# Altium PCB Copy of RaspberryHatBoard1.PcbDoc (part 2 of 3)
Units mm, origin at the board's own origin, x right, y up, seen from the top; angles counter-clockwise.
Board outline 65 x 56 mm, 2 copper layers (Top Layer, Bottom Layer); 197 components, 133 nets, 606 pads, 241 vias.
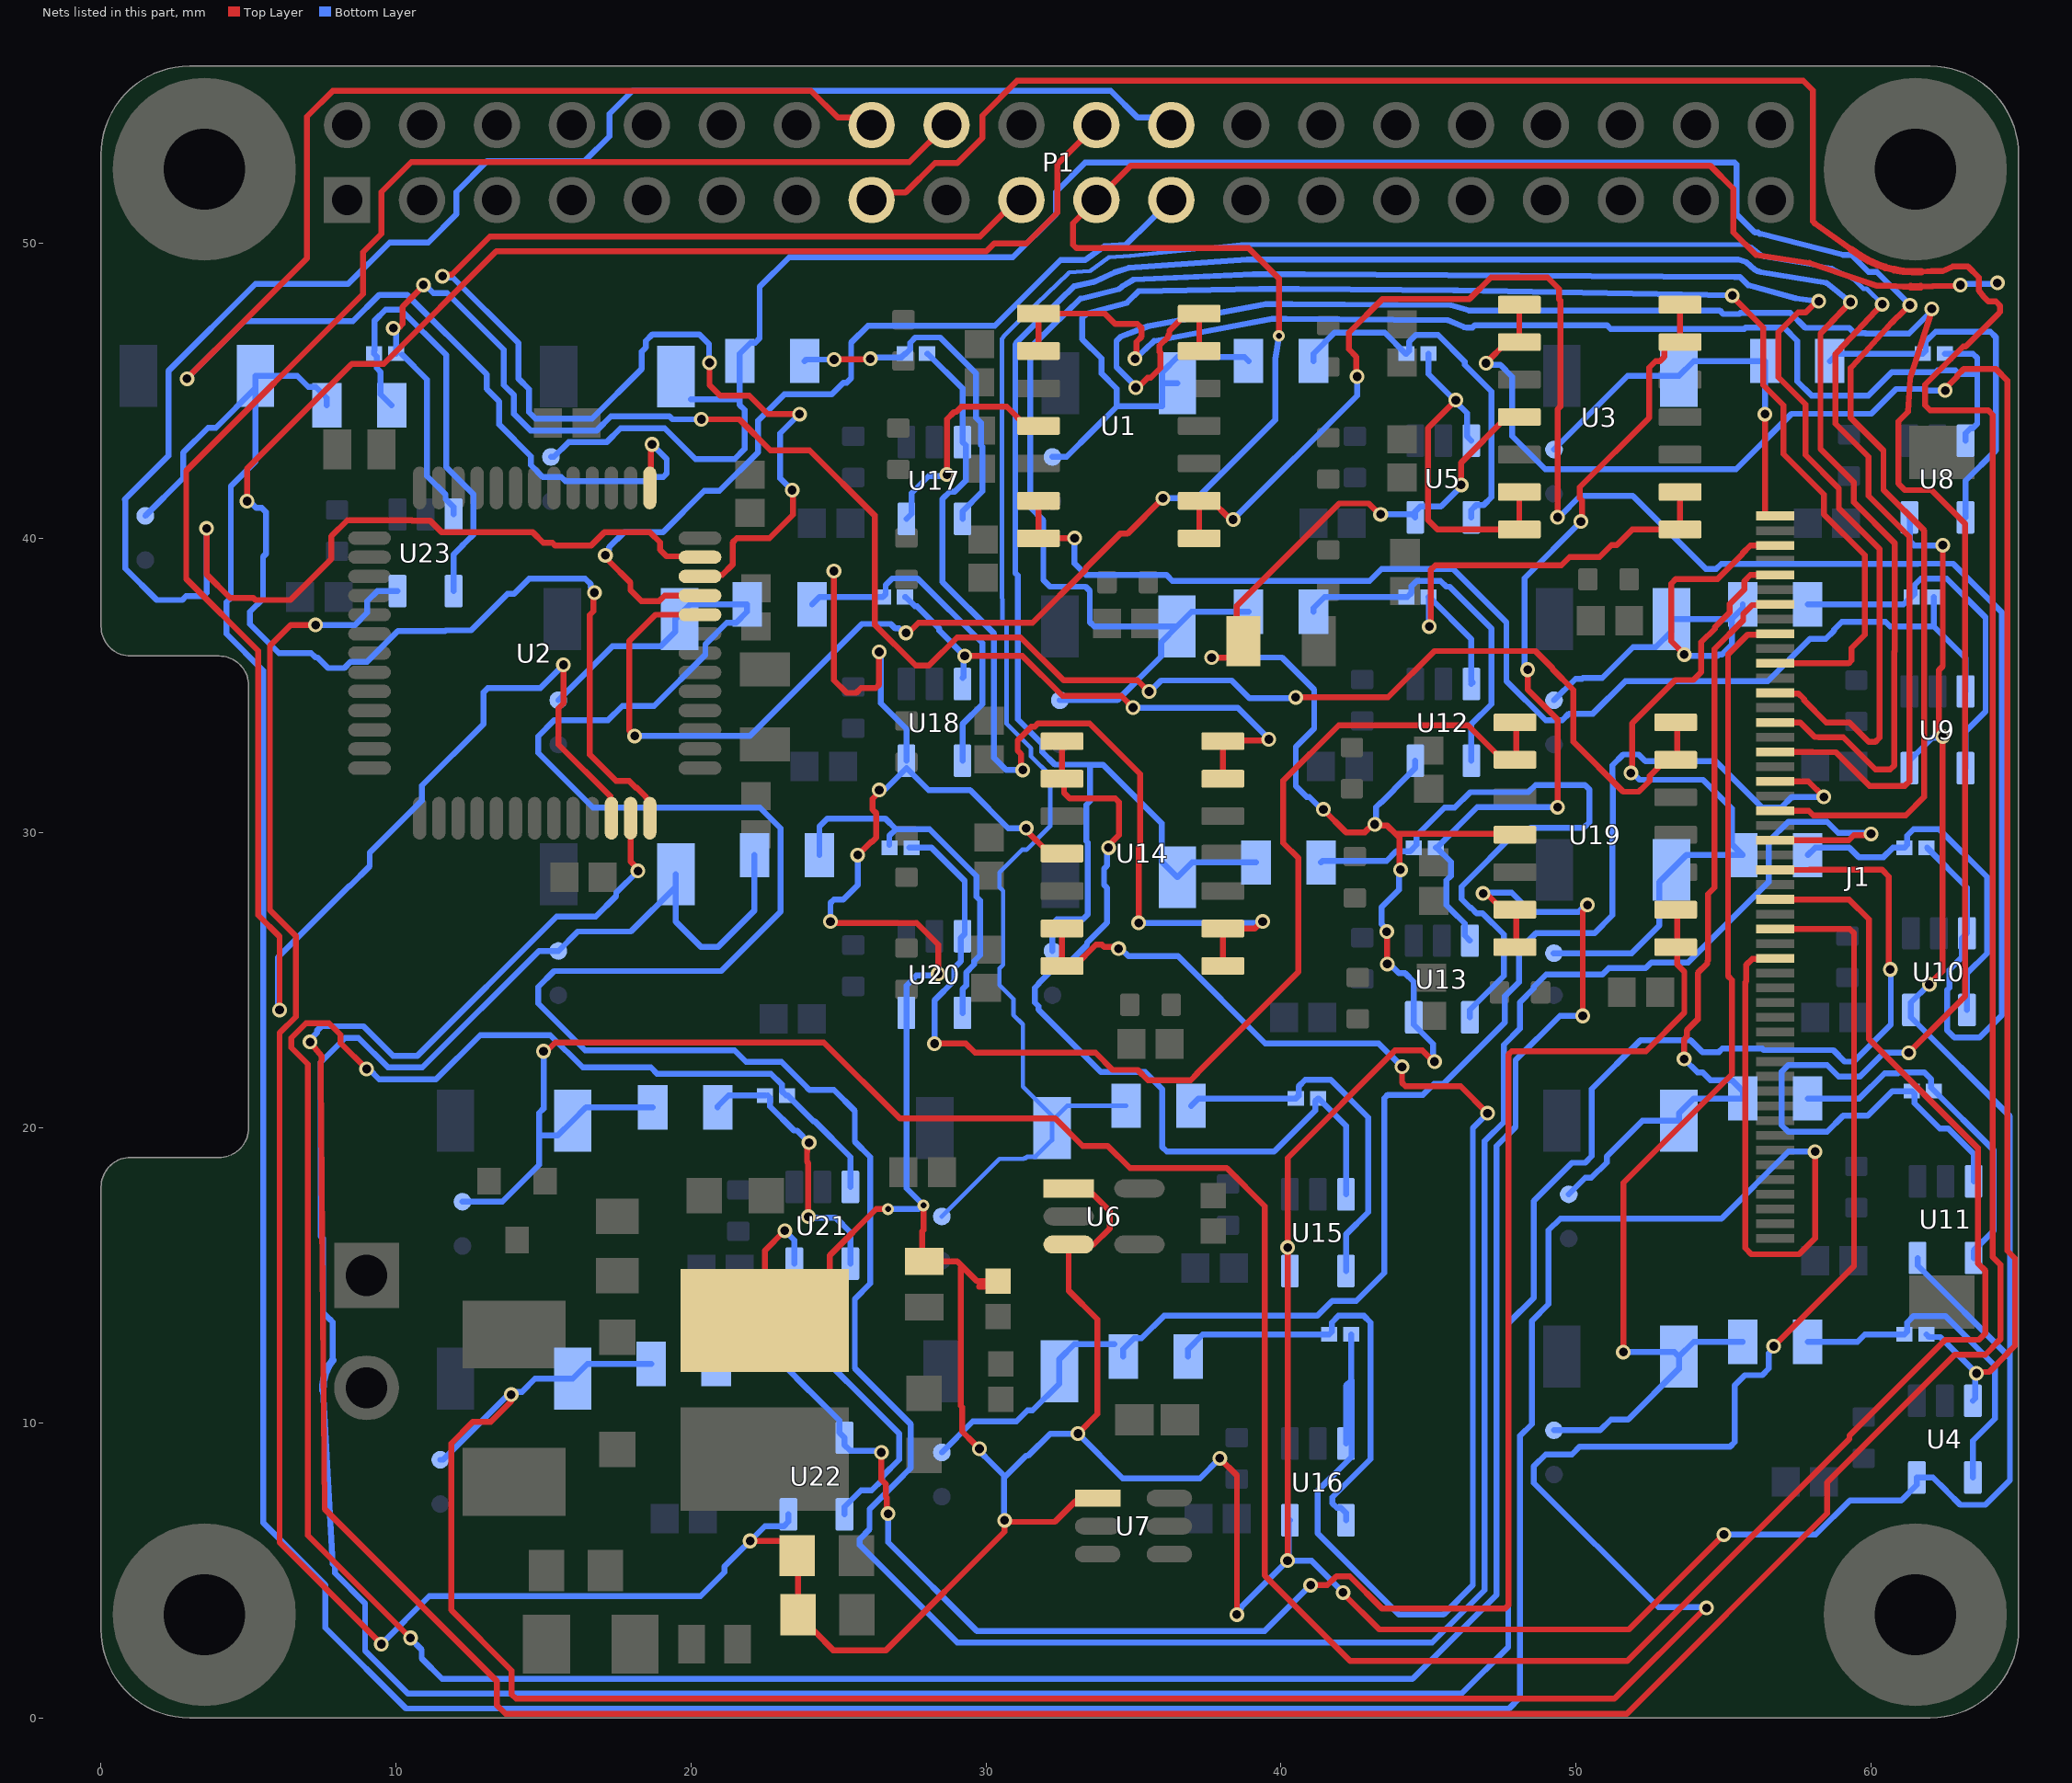
[diagram p2: the nets of this part, all layers, seen from the top]

## Via types
v1: diameter 0.5, hole 0.3, Top Layer to Bottom Layer, 236 vias
v2: diameter 0.4, hole 0.2, Top Layer to Bottom Layer, 3 vias
v3: diameter 0.4, hole 0.25, Top Layer to Bottom Layer, 2 vias

## Nets (pads, with @x,y where several pads share a name; then routed paths per layer and width w, separated by ;. In a path a pad name is that pad's centre, name@x,y a point inside that pad or via, vN(x,y) a via of type N, cw(c..) or ccw(c..) an arc to the next point about the centre after c; other vN are vias at no path point) (continued)
+5V_Ext: C8.2 C10.1 C11.1 C41.1 L1.2 R20.2 U1.4 U3.4 U4.5 U5.5 U6.1 U6.3 U7.1 U8.5 U9.5 U10.5 U11.5 U12.5 U13.5 U14.4 U15.5 U16.5 U17.5 U18.5 U19.4 U20.5 U21.5 U22.5 U23.5 | length 310.1
  Top Layer w0.2: 6.599,24.229 6.599,26.508 5.725,27.382 5.725,36.35 6.425,37.05 v1(7.272,37.05) ; 6.6,24.228 6.6,23.772 6.05,23.222 6.05,5.95 v1(9.5,2.5) ; v1(22,6) 23.2,6 23.6,5.6 C10.1@23.6,5.5 ; v1(23.175,16.517) 22.5,15.842 L1.2@22.5,13.477 23.207,13.477 24.707,14.977 24.707,15.684 26.273,17.25 v2(26.675,17.25) ; C10.1@23.625,5.475 C11.1@23.625,3.5 23.625,3.4 23.975,3.05 24.075,3.05 24.521,2.604 24.521,2.591 24.816,2.296 26.61,2.296 30.625,6.311 v1(30.625,6.7) ; v1(24.725,27) 24.775,26.95 27.645,26.95 28.375,26.22 v1(28.375,25.225) ; v1(24.842,38.88) 24.842,35.183 25.274,34.751 25.595,34.751 25.758,34.915 26.258,34.915 26.375,35.032 v1(26.375,36.139) ; v1(25.65,29.25) 26.094,29.694 26.125,29.694 26.282,29.851 26.282,30.666 26.155,30.793 26.155,31.156 26.377,31.378 v1(26.377,31.459) ; v2(27.877,17.375) 27.877,16.534 27.84,16.497 27.84,15.536 R20.2@27.9,15.476 29.024,15.476 29.2,15.3 ; v1(28.674,42.149) 28.674,44.032 28.917,44.275 28.988,44.275 29.165,44.452 30.698,44.452 31.35,43.8 U1.4@31.775,43.8 ; 29.76,14.623 30.222,14.623 C8.2@30.4,14.801 ; v1(29.775,9.125) 29.59,9.31 29.191,9.709 29.191,10.538 29.141,10.588 29.141,15.241 29.2,15.3 ; C8.2@30.222,14.801 29.699,14.801 29.2,15.3 ; v1@30.625,6.646 32.331,6.646 32.972,7.287 33.102,7.417 33.752,7.417 U7.1@33.784,7.45 ; v1(31.362,30.163) 31.362,30.088 32.15,29.3 U14.4@32.575,29.3 ; U6.3@32.799,16.05 U6.3@33.369,16.05 ; U6.1@32.799,17.95 32.98,17.769 33.609,17.769 34.2,17.178 34.2,16.602 33.648,16.05 U6.3@33.369,16.05 ; v1(33.116,9.638) 33.775,10.297 33.775,13.509 32.799,14.484 32.799,15.996 33.316,15.996 U6.3@33.369,16.05 ; v1(37.647,35.946) 38.274,35.946 38.724,36.396 C41.1@38.724,36.5 38.5,36.724 38.5,37.695 41.976,41.171 42.968,41.171 43.339,40.8 v1(43.375,40.8) ; v1(37.922,8.8) 38.503,8.218 38.503,3.503 v1(38.5,3.5) ; v1@40.223,5.327 v1(40.223,15.948) 40.223,18.986 43.862,22.625 44.797,22.625 45.172,22.25 v1(45.2,22.25) ; v1@41.425,30.8 42.2,30.025 42.84,30.025 43.108,30.294 v1(43.175,30.294) 43.222,30.247 43.6,30.247 43.869,29.978 ; v1(42.1,4.253) 42.1,4.225 43.325,3 51.795,3 v1(55.01,6.215) ; v1(43.58,26.656) 43.59,26.646 43.59,25.566 v1(43.6,25.556) ; v1(44.05,28.752) 44.01,28.792 44.01,29.837 43.869,29.978 ; v1(46.108,41.8) 46.108,42.558 47.65,44.1 U3.4@48.075,44.1 ; U19.4@47.975,29.9 47.897,29.978 43.869,29.978 ; v1(61.975,24.866) 62.427,25.317 v1(62.427,33.276) ; v1@62.304,33.422 62.304,35.527 62.431,35.654 v1(62.431,39.758)
  Bottom Layer w0.2: v1(7.272,37.05) 8.608,37.05 9.025,37.467 9.025,37.856 9.369,38.2 U23.5@10.05,38.2 ; v1(9.5,2.5) 11.127,4.127 20.325,4.127 21.134,4.936 21.134,5.134 22.501,6.501 23.151,6.501 23.3,6.65 U22.5@23.3,6.9 ; v1(23.175,16.517) 23.5,16.192 U21.5@23.5,15.4 ; v1(24.725,27) 24.725,27.629 24.842,27.746 25.162,27.746 25.65,28.234 v1(25.65,29.25) ; v1(26.375,36.139) 26.427,36.087 26.427,34.398 27.3,33.525 U18.5@27.3,32.45 ; v1(26.377,31.459) 26.418,31.5 26.6,31.5 27.3,32.2 28.05,31.45 29.462,31.45 30.749,30.163 v1(31.362,30.163) ; v2(26.675,17.25) 27.712,17.25 27.837,17.375 v2(27.877,17.375) 27.3,17.952 U20.5@27.3,23.9 27.3,24.831 27.637,25.168 28.318,25.168 v1(28.375,25.225) ; U17.5@27.3,40.65 27.473,40.823 27.473,41.523 28.052,42.102 28.627,42.102 v1(28.674,42.149) ; v1(29.775,9.125) 29.775,9.049 30.192,8.633 30.608,8.216 30.608,8.144 ; v1(30.625,6.7) 30.608,6.717 30.608,8.144 ; v1@33.114,9.636 32.174,9.636 31.428,8.89 31.354,8.89 30.608,8.144 ; v1(33.116,9.638) 34.631,8.123 37.244,8.123 v1(37.922,8.8) ; v1@37.65,35.95 40.031,35.95 41.121,34.86 41.121,33.538 40.498,32.915 40.498,31.594 40.871,31.221 40.963,31.221 41.382,30.802 v1(41.435,30.802) ; v1(38.5,3.5) 38.5,3.581 38.65,3.731 38.65,3.764 v1(40.217,5.331) ; U16.5@40.3,6.7 40.259,6.659 40.259,5.373 v1(40.217,5.331) ; v1(42.1,4.253) 42.1,4.262 41.031,5.331 v1(40.217,5.331) ; v1(43.175,30.294) 43.222,30.341 43.222,30.872 43.4,31.05 43.415,31.05 43.825,31.46 43.825,31.475 44.55,32.2 U12.5@44.55,32.45 ; v1(43.375,40.8) 44.45,40.8 U5.5@44.55,40.7 44.55,40.899 44.723,41.072 45.422,41.072 46.108,41.758 v1(46.108,41.8) ; v1(43.58,26.656) 43.58,26.737 43.401,26.917 43.401,27.478 44,28.077 44,28.702 v1(44.05,28.752) ; v1(43.6,25.556) 43.681,25.556 43.994,25.243 44.207,25.243 44.5,24.95 U13.5@44.5,23.75 44.5,23.5 45.153,22.847 45.153,22.297 v1(45.2,22.25) ; v1(55.01,6.215) 58.123,6.215 59.283,7.375 61.025,7.375 61.55,7.9 U4.5@61.55,8.15 62.1,8.15 62.562,7.688 62.562,7.685 63.024,7.223 63.876,7.223 64.706,8.053 64.706,12.211 ; U9.5@61.3,32.2 61.3,32.45 62.079,33.229 62.38,33.229 v1(62.427,33.276) ; U8.5@61.3,40.7 61.312,40.688 61.312,39.899 61.461,39.75 62.423,39.75 v1(62.431,39.758) ; U11.5@61.577,15.591 61.577,15.341 64.706,12.211 ; v1(61.975,24.866) 61.966,24.866 61.35,24.25 U10.5@61.35,24 61.35,23.75 64.706,20.394 64.706,12.211
CH1_SHUNT_N: F1.1 R1.2 U8.4 | length 12.8
  Bottom Layer w0.2: F1.1@58.6,46 58.85,46.25 R1.2@61.75,46.25 61.844,46.344 61.844,46.658 62.184,46.998 64.04,46.998 64.225,46.813 64.225,42.966 63.2,41.941 U8.4@63.2,40.7
CH1_SHUNT_P: R1.1 U1.1 U1.2 U8.3 | length 41.5
  Top Layer w0.2: U1.2@31.775,46.34 U1.1@31.775,47.61 34.023,47.61 34.372,47.261 35.126,47.261 35.275,47.112 35.275,46.833 35.097,46.655 35.097,46.122 v1(35.05,46.075)
  Bottom Layer w0.2: v1(35.05,46.075) 35.694,46.677 39.688,47.43 40.166,47.43 45.642,47.385 46.195,47.151 46.294,47.131 46.486,47.131 46.573,47.218 51.04,47.218 51.168,47.09 55.701,47.09 55.742,47.131 57.052,47.131 57.5,46.683 57.5,45.311 57.986,44.825 59.906,44.825 60.7,45.619 62.183,45.619 62.247,45.684 62.857,45.684 62.99,45.551 63.6,45.551 ; R1.1@62.5,46.25 63.451,46.25 63.6,46.101 63.6,45.551 ; U8.3@63.2,43.3 63.2,43.55 63.373,43.723 63.451,43.723 63.6,43.872 63.6,44.081 63.6,45.269 63.6,45.551
CH1_VOUT_SENSE: CH1_V.1 D1.2 F1.2 J1.1 | length 13.6
  Top Layer w0.2: J1.1@56.4,40.781 v1(56.4,44.2)
  Bottom Layer w0.2: CH1_V.1@49.25,43 51.75,45.5 D1.2@53.485,45.5 53.985,46 F1.2@56.4,46 v1(56.4,44.2)
CH2_SHUNT_N: F2.1 R2.2 U9.4 | length 12.5
  Bottom Layer w0.2: F2.1@57.85,37.75 61.1,37.75 61.35,38 R2.2@61.375,38 61.473,38.098 61.473,38.406 61.694,38.627 62.562,38.627 63.881,37.308 63.881,34.122 63.2,33.441 U9.4@63.2,32.2
CH2_SHUNT_P: R2.1 U1.6 U1.7 U9.3 | length 41.3
  Top Layer w0.2: U1.6@31.775,41.26 U1.7@31.775,39.99 31.78,39.995 32.995,39.995 v1(33,40)
  Bottom Layer w0.2: v1(33,40) 33,39.138 33.388,38.75 36.119,38.75 36.319,38.55 43.004,38.55 43.404,38.95 45.832,38.95 47.639,37.143 47.639,35.148 48.968,33.819 49.532,33.819 49.759,34.046 50.571,34.046 51.673,35.148 56.496,35.148 57.925,36.577 58.46,36.577 58.739,36.856 58.739,36.89 59.011,37.161 60.488,37.161 60.648,37.001 62.125,37.001 ; R2.1@62.125,38 62.125,37.001 ; U9.3@63.2,34.8 63.2,35.926 62.125,37.001
CH2_VOUT_SENSE: CH2_V.1 D2.2 F2.2 J1.3 | length 17.4
  Top Layer w0.2: v1(53.665,36.048) 53.665,36.061 53.225,36.501 53.225,36.847 53.225,38.456 53.374,38.605 54.794,38.605 55.635,39.446 55.635,39.474 55.911,39.75 J1.3@56.75,39.75
  Bottom Layer w0.2: CH2_V.1@49.25,34.5 49.98,35.23 50.2,35.23 50.229,35.259 50.888,35.259 51.929,36.3 52.7,36.3 53.235,36.835 D2.2@53.235,37.25 F2.2@55.277,37.25 ; v1(53.665,36.048) 53.709,36.005 54.777,36.005 54.782,36 54.783,36 54.83,36.047 54.949,36.047 55.277,36.375 F2.2@55.277,37.25 ; F2.2@55.65,37.75 55.65,37.623 F2.2@55.277,37.25
CH3_SHUNT_N: F3.1 R3.2 U10.4 | length 12.4
  Bottom Layer w0.2: F3.1@57.85,29.25 58.1,29.5 59.263,29.5 59.579,29.184 60.421,29.184 60.737,29.5 R3.2@61.125,29.5 61.219,29.594 61.219,29.908 61.442,30.131 62.308,30.131 63.931,28.508 63.931,25.922 63.25,25.241 U10.4@63.25,24
CH3_SHUNT_P: R3.1 U1.8 U1.9 U10.3 | length 66.8
  Top Layer w0.2: U1.8@37.225,39.99 U1.9@37.225,41.26 37.65,41.26 38.238,40.672 38.328,40.672 v1(38.375,40.625) ; v1(42.575,45.475) 42.55,45.5 42.55,46.143 42.295,46.397 42.295,46.959 43.442,48.106 46.389,48.106 47.12,48.837 49.03,48.837 49.427,48.44 49.427,48.092 49.464,48.055 49.464,44.459 49.372,44.368 v1(49.372,40.705)
  Bottom Layer w0.2: v1(38.375,40.625) 42.575,44.825 v1(42.575,45.475) ; v1(49.372,40.705) 49.418,40.705 50.14,41.427 51.923,41.427 54.4,38.95 54.748,38.95 54.921,39.123 61.585,39.123 61.593,39.131 62.776,39.131 64.439,37.468 64.439,23.83 63.678,23.069 62.822,23.069 62.573,23.318 62.573,24.676 62.652,24.755 62.652,25.361 63.077,25.786 63.077,26.427 U10.3@63.25,26.6 63.25,28.15 R3.1@61.9,29.5
CH3_VOUT_SENSE: CH3_V.1 D3.2 F3.2 J1.5 | length 23.9
  Top Layer w0.2: v1(51.86,32.031) 51.9,32.071 51.9,33.719 53.368,35.187 53.978,35.187 54.242,35.451 54.242,36.468 54.703,36.929 54.703,36.979 55.211,37.487 55.211,37.768 55.7,38.257 55.7,38.539 55.911,38.75 J1.5@56.75,38.75
  Bottom Layer w0.2: CH3_V.1@49.241,25.925 51.882,25.925 52.827,26.87 52.827,28.342 53.735,29.25 F3.2@55.65,29.25 55.277,29.623 55.277,30.829 54.301,31.805 52.153,31.805 51.927,32.031 v1(51.86,32.031)
CH4_SHUNT_N: F4.1 R4.2 U11.4 | length 11.9
  Bottom Layer w0.2: F4.1@57.85,21 59.601,21 60.454,21.853 60.914,21.853 60.942,21.881 61.808,21.881 62.031,21.658 62.031,21.369 64.158,19.242 64.158,16.522 63.477,15.841 U11.4@63.477,15.591
CH4_SHUNT_P: R4.1 U1.13 U1.14 U11.3 | length 79.1
  Top Layer w0.2: v1(35.075,45.1) 35.142,45.1 35.478,45.436 35.578,45.436 35.906,45.764 35.906,46.286 35.88,46.312 35.88,46.522 36.166,46.808 36.166,46.86 36.212,46.906 36.212,47.022 36.8,47.61 U1.14@37.225,47.61 U1.13@37.225,46.34 ; v1(61.275,22.55) 63.192,24.467 63.192,40.483 62.052,41.623 61.144,41.623 60.923,41.844 60.923,43.956 61.249,44.282 61.322,45.402 61.323,45.415 62.081,47.763 62.073,47.771 v1(62.055,47.771)
  Bottom Layer w0.2: v1(35.075,45.1) 35.075,45.136 34.419,45.792 34.419,46.682 34.568,46.831 35.495,47.181 39.479,47.934 40.375,47.934 45.763,47.889 46.37,47.717 54.868,47.717 54.991,47.594 55.527,47.594 55.569,47.635 57.261,47.635 57.769,47.127 59.256,47.127 59.435,46.948 59.802,46.948 59.815,46.936 61.286,46.936 61.951,47.601 61.951,47.667 v1(62.055,47.771) ; v1(61.275,22.55) 60.432,22.55 59.624,21.742 58.897,21.742 58.508,22.131 57.192,22.131 56.969,21.908 56.969,20.092 57.192,19.869 58.508,19.869 59.05,20.411 59.88,20.411 60.719,21.25 R4.1@61.375,21.25 61.469,21.156 61.469,20.842 62.329,19.982 62.616,19.982 63.477,19.122 U11.3@63.477,18.191
CH4_VOUT_SENSE: CH4_V.1 D4.2 F4.2 J1.7 | length 27.3
  Top Layer w0.2: v1(53.663,22.338) 53.663,23.009 53.75,23.096 53.75,23.306 54.125,23.681 54.125,25.256 54.45,25.581 54.45,25.657 54.477,25.684 54.477,27.927 54.696,28.146 54.696,36.243 55.665,37.212 55.665,37.427 55.965,37.727 56.727,37.727 J1.7@56.75,37.75
  Bottom Layer w0.2: CH4_V.1@49.75,17.75 50.311,18.311 50.518,18.311 51.039,18.832 51.039,19.039 52.25,20.25 D4.2@53.485,20.25 53.485,20.492 53.993,21 F4.2@55.65,21 55.65,21.25 55.277,21.623 54.552,21.623 54.286,21.889 54.112,21.889 v1(53.663,22.338)
CH5_SHUNT_N: F5.1 R5.2 U4.4 | length 11.7
  Bottom Layer w0.2: F5.1@57.85,12.75 59.536,12.75 59.786,13 R5.2@61.125,13 61.223,13.098 61.223,13.406 61.444,13.627 62.515,13.627 64.202,11.94 64.202,10.149 63.45,9.397 U4.4@63.45,8.15
CH5_SHUNT_P: R5.1 U3.1 U3.2 U4.3 | length 62.4
  Top Layer w0.2: v1(46.95,45.925) 46.95,45.94 47.65,46.64 U3.2@48.075,46.64 U3.1@48.075,47.91 ; v1(62.513,45.001) 62.513,45.068 62.919,45.474 62.919,45.511 63.133,45.725 64.236,45.725 64.625,45.336 64.625,15.834 64.885,15.574 64.885,12.626 64.625,12.366 64.625,12.349 64.003,11.727 63.622,11.727 v1(63.575,11.68)
  Bottom Layer w0.2: v1(46.95,45.925) 47.007,45.868 47.432,45.868 47.836,45.464 47.836,43.451 48.952,42.335 55.427,42.335 57.304,44.211 60.011,44.211 60.852,45.053 61.755,45.053 61.806,45.001 v1(62.513,45.001) ; R5.1@61.875,13 61.963,12.912 62.343,12.912 v1(63.575,11.68) ; U4.3@63.45,10.75 63.528,10.828 v1@63.528,11.68
CH5_VOUT_SENSE: CH5_V.1 D5.2 F5.2 J1.9 | length 37
  Top Layer w0.2: v1(51.6,12.4) 51.6,18.138 55.279,21.817 55.279,25.021 55.15,25.15 55.15,36.054 55.823,36.727 56.727,36.727 J1.9@56.75,36.75
  Bottom Layer w0.2: CH5_V.1@49.25,9.75 50.813,9.75 51.179,10.116 51.766,10.116 53.485,11.835 D5.2@53.485,12.25 ; v1(51.6,12.4) 53.335,12.4 D5.2@53.485,12.25 ; F5.2@55.65,12.75 53.985,12.75 D5.2@53.485,12.25
CH6_SHUNT_N: F6.1 R6.2 U5.4 | length 12.9
  Bottom Layer w0.2: F6.1@41.1,46 41.1,46.25 41.809,46.959 43.516,46.959 44.225,46.25 R6.2@44.25,46.25 44.344,46.344 44.344,46.658 44.567,46.881 45.318,46.881 46.225,45.975 46.225,45.873 47.131,44.966 47.131,41.381 46.873,41.123 46.623,41.123 46.45,40.95 U5.4@46.45,40.7
CH6_SHUNT_P: R6.1 U3.6 U3.7 U5.3 | length 12.5
  Top Layer w0.2: v1(45.925,44.675) 44.977,43.727 44.977,40.612 45.299,40.29 U3.7@48.075,40.29 U3.6@48.075,41.56
  Bottom Layer w0.2: R6.1@45,46.25 45,45.564 45.888,44.675 v1@45.929,44.675 ; v1(45.925,44.675) 45.925,44.608 46.302,44.231 46.302,43.448 U5.3@46.45,43.3
CH6_VOUT_SENSE: CH6_V.1 D6.2 F6.2 J1.11 | length 52.1
  Top Layer w0.2: v1(55.297,48.221) 55.297,48.185 56.345,47.138 56.345,45.186 57.031,44.5 57.031,42.844 58.403,41.472 58.403,40.8 59.788,39.415 59.788,36.722 59.335,36.269 59.335,35.85 59.235,35.75 J1.11@56.75,35.75
  Bottom Layer w0.2: CH6_V.1@32.25,42.75 32.725,42.75 33.625,43.65 34.431,44.456 34.431,45.061 33.911,45.581 33.911,46.089 33.261,46.739 33.261,47.354 33.261,47.459 33.41,47.608 34.771,47.968 34.822,48.019 35.166,48.364 39.27,48.438 40.584,48.438 45.847,48.393 45.972,48.391 v1(55.297,48.221) ; 34.444,44.469 35.977,44.469 35.977,45.25 D6.2@36.485,45.25 ; D6.2@35.977,45.271 35.977,45.63 36.485,46.138 38.762,46.138 F6.2@38.9,46
CH7_SHUNT_N: F7.1 R7.2 U12.4 | length 12.1
  Bottom Layer w0.2: F7.1@41.1,37.5 41.1,37.627 41.473,38 44.275,38 44.425,38.15 44.425,38.374 44.601,38.55 45.399,38.55 45.599,38.35 45.714,38.35 47.131,36.933 47.131,34.372 46.45,33.691 U12.4@46.45,32.45
CH7_SHUNT_P: R7.1 U3.8 U3.9 U12.3 | length 16.8
  Top Layer w0.2: v1(45.025,37) 45.072,37.047 45.072,37.564 45.077,37.569 45.077,38.926 45.226,39.075 49.5,39.075 49.786,39.361 50.795,39.361 51.195,39.761 51.378,39.761 51.907,40.29 U3.8@53.525,40.29 U3.9@53.525,41.56
  Bottom Layer w0.2: R7.1@45,38 45.013,37.988 45.013,37.012 v1(45.025,37) ; R7.1@45.025,38 46.45,36.575 46.45,35.15 46.5,35.1 U12.3@46.45,35.05
CH7_VOUT_SENSE: CH7_V.1 D7.2 F7.2 J1.13 | length 70.8
  Top Layer w0.2: J1.13@56.75,34.75 56.773,34.727 57.535,34.727 57.727,34.535 57.727,34.498 58.477,33.748 59.265,33.748 59.929,33.084 60.139,33.084 60.288,33.233 60.288,36.362 60.292,36.366 60.292,39.624 58.907,41.009 58.907,41.681 57.776,42.812 57.776,44.531 56.853,45.454 56.853,46.978 57.527,47.652 57.785,47.652 58.158,48.025 v1(58.225,48.025)
  Bottom Layer w0.2: CH7_V.1@32.5,34.5 34.45,34.5 35.935,35.985 35.935,36.465 D7.2@36.47,37 ; F7.2@38.9,37.5 36.97,37.5 D7.2@36.47,37 ; v1(58.225,48.025) 57.459,48.123 57.43,48.134 55.83,48.575 55.557,48.848 55.376,48.848 40.791,48.942 39.062,48.942 35.001,48.764 34.599,48.516 34.505,48.438 33.201,48.112 31.724,46.677 31.503,46.456 31.499,46.353 31.499,41.038 31.941,40.596 31.941,38.58 32.171,38.35 33.374,38.35 33.516,38.208 33.516,37.149 33.665,37 D7.2@36.47,37
CH8_SHUNT_N: F8.1 R8.2 U13.4 | length 22.4
  Bottom Layer w0.2: F8.1@41.35,29 41.404,29.054 43.574,29.054 43.898,29.378 44.378,29.378 44.594,29.594 44.594,29.908 45.543,30.857 45.889,30.857 46.415,31.383 48.383,31.383 48.625,31.625 50.301,31.625 50.45,31.476 50.45,30.362 50.269,30.181 48.472,30.181 48.366,30.075 48.007,30.075 46.115,28.183 46.115,27.762 46.412,27.465 46.443,27.465 46.627,27.281 46.828,27.281 47.553,26.556 47.553,25.153 46.4,24 U13.4@46.4,23.75
CH8_SHUNT_P: R8.1 U3.13 U3.14 U13.3 | length 28.5
  Top Layer w0.2: v1(48.36,35.537) 48.36,34.859 49.375,33.844 v1(49.375,30.875) ; v1(50.164,40.558) 50.199,40.594 50.199,41.278 50.125,41.352 50.125,41.725 52.473,44.073 52.473,45.776 52.694,45.997 52.844,45.997 52.993,46.146 52.993,46.467 53.166,46.64 U3.13@53.525,46.64 U3.14@53.525,47.91
  Bottom Layer w0.2: R8.1@45.25,29.5 R8.1@45.275,29.5 ; U13.3@46.4,26.35 46.227,26.523 46.227,26.932 46.131,27.028 45.878,27.281 45.607,27.552 45.607,28.394 45.757,28.544 45.757,29.018 R8.1@45.275,29.5 ; v1@48.35,35.525 48.249,35.626 48.249,38.644 v1(50.164,40.558) ; v1(49.375,30.875) 46.65,30.875 R8.1@45.275,29.5
CH8_VOUT_SENSE: CH8_V.1 D8.2 F8.2 J1.15 | length 83.1
  Top Layer w0.2: J1.15@56.75,33.75 57.591,33.75 58.087,33.254 58.222,33.254 58.232,33.244 59.056,33.244 60.15,32.15 60.643,32.15 60.792,32.299 60.792,36.153 60.796,36.157 60.796,39.833 59.411,41.218 59.411,41.89 58.284,43.017 58.284,46.833 58.284,46.938 v1(59.3,48)
  Bottom Layer w0.2: CH8_V.1@32.25,26 32.25,26.92 32.399,27.069 33.283,27.069 33.45,27.236 33.45,29.674 33.4,29.724 33.4,30.955 33.525,31.08 33.525,32.31 ; F8.2@39.15,29 36.985,29 D8.2@36.485,28.5 35.95,29.035 35.95,30.328 33.967,32.31 33.525,32.31 ; v1(59.3,48) 58.485,48.652 56.267,49.013 56.208,49.03 56.16,49.045 56.059,49.097 55.766,49.352 55.49,49.446 38.854,49.446 34.828,49.156 34.351,49.006 33.675,48.685 33.629,48.675 32.984,48.536 32.969,48.522 31.536,47.131 31.049,46.644 30.991,46.563 30.991,46.502 30.991,38.811 31.072,38.73 31.072,33.85 31.9,33.023 31.9,32.751 32.332,32.319 33.525,32.319 33.525,32.31
CH9_SHUNT_N: F9.1 R9.2 U15.4 | length 12.6
  Bottom Layer w0.2: F9.1@36.95,20.75 37.2,21 R9.2@40.5,21 40.594,21.094 40.594,21.408 40.817,21.631 41.683,21.631 42.954,20.359 42.954,17.146 42.2,16.391 U15.4@42.2,15.15
CH9_SHUNT_P: R9.1 U14.1 U14.2 U15.3 | length 29.5
  Top Layer w0.2: U14.1@32.575,33.11 U14.2@32.575,31.84 32.643,31.772 32.643,31.357 32.83,31.17 34.383,31.17 34.5,31.053 34.5,29.925 34.15,29.575 v1(34.15,29.5)
  Bottom Layer w0.2: v1(34.15,29.5) 34.1,29.45 34.1,28.891 34,28.791 34,28.238 34.1,28.138 34.1,26.958 33.423,26.281 33.423,26.21 32.532,25.319 32.197,25.319 31.775,24.897 31.775,24.874 31.65,24.749 31.65,24.251 31.775,24.126 31.775,24.012 33.895,21.892 35.397,21.892 35.975,21.314 35.975,19.349 36.124,19.2 39.764,19.2 41.156,20.592 41.156,20.906 R9.1@41.25,21 ; R9.1@41.275,21 42.2,20.075 U15.3@42.2,17.75
CH9_VOUT_SENSE: CH9_V.1 D9.2 F9.2 J1.17 | length 91.4
  Top Layer w0.2: J1.17@56.75,32.75 58.013,32.75 58.023,32.74 58.803,32.74 59.943,31.6 61.147,31.6 61.296,31.749 61.296,35.944 61.3,35.948 61.3,40.041 59.915,41.426 59.915,42.758 58.792,43.881 58.792,46.136 58.792,46.237 58.861,46.31 v1(60.375,47.925)
  Bottom Layer w0.15: CH9_V.1@28.5,17 30.45,18.95 31.274,18.95 31.299,18.975 31.342,18.975 31.393,19.025 31.675,19.025 32.235,19.585 32.235,20.415 31.25,21.4 31.25,23.512 30.925,23.837 30.925,24.373 30.45,24.848 30.45,25.41 30.575,25.535 30.575,28.036 30.45,28.161 30.45,28.662 31.22,29.432 31.374,29.432 32.175,30.234 32.175,31.946 31.525,32.596 31.525,32.867 30.697,33.695 30.697,37.053 30.615,37.136 30.557,37.193 30.556,37.274 30.537,38.623 30.537,46.751 30.595,46.832 31.348,47.585 32.785,48.976 32.82,49.005 33.509,49.05 34.158,49.511 34.166,49.519 34.884,49.564 38.645,49.95 55.699,49.95 55.954,49.856 56.04,49.791 56.4,49.517 58.661,49.156 58.726,49.123 59.433,48.754 59.507,48.68 59.735,48.452 59.848,48.452 v1(60.375,47.925) ; D9.2@32.322,20.329 32.743,20.75 F9.2@34.75,20.75
CH10_SHUNT_N: F10.1 R10.2 U16.4 | length 14.7
  Bottom Layer w0.2: F10.1@36.85,12.25 36.85,12.5 37.344,12.994 R10.2@41.619,12.994 ; R10.2@41.625,13 41.719,13.094 41.719,13.408 41.942,13.631 42.808,13.631 43.031,13.408 43.031,8.772 41.741,7.482 41.741,7.272 41.89,7.123 42.027,7.123 42.2,6.95 U16.4@42.2,6.7
CH10_SHUNT_P: R10.1 U14.6 U14.7 U16.3 | length 51.1
  Top Layer w0.2: U14.6@32.575,26.76 U14.7@32.575,25.49 33,25.49 33.724,26.214 33.924,26.214 34.001,26.137 34.433,26.137 v1(34.49,26.079) ; v1(44.1,22.075) 44.1,21.534 44.217,21.417 46.083,21.417 v1(47,20.5)
  Bottom Layer w0.2: v1(34.49,26.079) 34.571,26.079 34.824,25.827 36.51,25.827 39.467,22.869 43.306,22.869 v1(44.1,22.075) ; U16.3@42.2,9.3 42.2,11.26 42.375,11.435 R10.1@42.375,13 ; 42.395,11.435 42.395,8.855 41.233,7.693 41.233,6.267 44,3.5 45.5,3.5 46.5,4.5 46.5,20 v1(47,20.5)
CH10_VOUT_SENSE: CH10_V.1 D10.2 F10.2 J1.19 | length 50.6
  Top Layer w0.2: J1.19@56.75,31.75 57.875,31.75 v1(58.4,31.225)
  Bottom Layer w0.2: CH10_V.1@28.5,9 29.55,10.05 31.032,10.05 31.407,10.425 31.575,10.425 32.485,11.335 32.485,12.165 32.993,12.673 F10.2@34.355,12.673 ; F10.2@34.65,12.25 34.65,12.5 35.023,12.873 35.273,12.873 36.031,13.631 41.224,13.631 41.732,14.139 42.548,14.139 43.5,15.091 43.5,21.008 43.617,21.125 44.808,21.125 45.179,21.496 45.504,21.496 47.589,23.58 47.589,24.471 48.061,24.943 48.061,26.024 48.637,26.6 48.962,26.6 48.968,26.606 49.532,26.606 49.538,26.6 50.625,26.6 51.235,27.21 51.235,30.016 51.25,30.031 51.25,31.808 51.229,31.829 51.229,32.292 51.599,32.662 52.121,32.662 52.347,32.436 54.732,32.436 56.307,30.861 56.954,30.861 57.318,31.225 v1(58.4,31.225)
CH11_SHUNT_N: F11.1 R11.2 U17.4 | length 12.1
  Top Layer w0.2: v1(24.848,46.05) 24.861,46.062 26.062,46.062 v1(26.075,46.075)
  Bottom Layer w0.2: F11.1@23.85,46 23.9,46.05 v1(24.848,46.05) ; v1(26.075,46.075) 26.142,46.075 26.194,46.127 27.127,46.127 R11.2@27.25,46.25 ; R11.2@27.275,46.25 27.425,46.4 27.425,46.624 27.601,46.8 28.437,46.8 29.654,45.583 29.654,44.079 29.827,43.906 29.827,43.148 29.881,43.094 29.881,41.581 29.2,40.9 U17.4@29.2,40.65
CH11_SHUNT_P: R11.1 U14.8 U14.9 U17.3 | length 34.7
  Top Layer w0.2: v1(31.243,32.136) 31.186,32.193 31.186,32.674 31.069,32.791 31.069,33.138 31.534,33.603 31.648,33.603 31.756,33.71 33.509,33.71 35.221,31.998 35.221,29.563 35.181,29.523 35.181,26.956 v1(35.175,26.95) ; U14.8@38.025,25.49 U14.9@38.025,26.76 39.113,26.76 39.353,27 v1(39.375,27)
  Bottom Layer w0.2: R11.1@28,46.25 28.025,46.25 29.2,45.075 U17.3@29.2,43.25 29.311,43.139 29.311,41.949 28.933,41.572 28.768,41.572 28.523,41.326 28.523,38.509 30.272,36.76 30.272,32.542 30.679,32.136 v1(31.243,32.136) ; v1(35.175,26.95) 39.325,26.95 v1(39.375,27)
CH11_VOUT_SENSE: CH11_V.1 D11.2 F11.2 J1.21 | length 83.1
  Top Layer w0.2: J1.21@56.75,30.75 57.89,30.75 58.042,30.598 61.173,30.598 61.8,31.225 61.8,35.736 61.804,35.74 61.804,40.25 60.419,41.635 60.419,42.966 59.3,44.085 59.3,45.66 59.3,45.758 59.366,45.831 60.489,47.069 60.697,47.298 60.776,47.377 61.32,47.892 v1(61.315,47.895) v1(61.315,47.895)
  Bottom Layer w0.2: CH11_V.1@15.25,42.75 15.349,42.75 15.847,43.248 17.136,43.248 17.613,43.725 19.103,43.725 20.153,42.675 21.472,42.675 21.821,43.024 21.821,44.34 21.65,44.511 21.65,44.851 ; D11.2@19.993,44.702 21.501,44.702 21.65,44.851 ; v1(61.315,47.895) 61.315,47.904 60.196,49.023 59.912,49.023 59.332,49.603 59.047,49.603 56.236,50.318 56.216,50.318 56.174,50.36 56.057,50.36 55.438,50.979 55.438,52.663 55.376,52.725 33.356,52.725 32.366,51.735 32.366,50.977 30.908,49.519 23.327,49.519 22.325,48.517 22.325,46.772 22.176,46.623 22.023,46.623 21.65,46.25 21.65,44.851
CH12_SHUNT_N: F12.1 R12.2 U18.4 | length 11.5
  Bottom Layer w0.2: F12.1@24.1,37.75 24.35,38 R12.2@26.5,38 26.594,38.094 26.594,38.408 26.817,38.631 27.683,38.631 29.872,36.442 29.872,34.363 29.2,33.691 U18.4@29.2,32.45
CH12_SHUNT_P: R12.1 U14.13 U14.14 U18.3 | length 18
  Top Layer w0.2: v1(29.275,36) 31.236,36 32.586,34.65 34.581,34.65 v1(34.979,34.252) ; U14.13@38.025,31.84 U14.14@38.025,33.11 38.057,33.142 39.553,33.142 v1(39.585,33.174)
  Bottom Layer w0.2: R12.1@27.25,38 27.275,38 27.59,37.685 27.657,37.685 28.417,36.925 28.417,36.858 v1(29.275,36) 29.238,35.962 29.238,35.29 U18.3@29.2,35.252 ; v1(34.979,34.252) 34.982,34.249 38.526,34.249 v1@39.6,33.175
CH12_VOUT_SENSE: CH12_V.1 D12.2 F12.2 J1.23 | length 131.2
  Top Layer w0.2: J1.23@56.75,29.75 57.589,29.75 59.242,29.75 59.416,29.924 59.953,29.924 v1(60,29.971)
  Bottom Layer w0.2: CH12_V.1@15.5,34.5 17.327,36.327 18.962,36.327 19.47,36.835 19.47,37.25 19.97,37.75 F12.2@21.9,37.75 21.9,37.5 21.527,37.127 21.214,37.127 20.486,36.399 20.486,36.042 18.75,34.306 17.67,34.306 17.182,33.819 15.356,33.819 14.819,33.282 14.819,32.718 16.676,30.861 22.328,30.861 23.031,30.158 23.031,27.331 21.019,25.319 15.356,25.319 14.819,24.782 14.819,24.218 16.404,22.633 21.474,22.633 21.868,22.239 23.06,22.239 23.825,21.474 23.825,21.473 24.01,21.288 24.844,21.288 25.55,20.582 25.55,19.538 26.077,19.011 26.077,14.724 25.55,14.197 25.55,11.852 27.45,9.952 27.45,8.478 27.2,8.228 27.2,8.221 26.049,7.07 26.049,6.396 25.719,6.066 25.719,5.856 29.025,2.55 45.116,2.55 46.9,4.334 46.9,19.554 47.55,20.204 47.55,22.823 48.097,23.37 48.097,24.26 48.569,24.732 48.569,24.782 48.987,25.2 50.894,25.2 51.111,25.417 52.359,25.417 52.55,25.608 53.797,25.608 56.531,28.342 56.531,29.72 57.192,30.381 58.508,30.381 58.885,30.004 59.967,30.004 v1(60,29.971)
CH13_SHUNT_N: F13.1 R13.2 U20.4 | length 12.8
  Bottom Layer w0.2: F13.1@24.35,29.25 24.35,30.221 24.622,30.493 26.58,30.493 26.942,30.131 ; R13.2@26.719,29.594 26.719,29.908 26.942,30.131 ; U20.4@29.2,23.9 29.2,24.707 29.325,24.831 29.325,25.266 29.6,25.541 29.6,25.656 29.8,25.856 29.8,27.715 29.675,27.84 29.675,28.543 28.087,30.131 26.942,30.131
CH13_SHUNT_P: R13.1 U19.1 U19.2 U20.3 | length 39.8
  Top Layer w0.2: v1(28.25,22.859) 29.314,22.859 29.622,22.551 33.711,22.551 34.292,21.969 35.139,21.969 35.489,21.619 36.933,21.619 37.156,21.842 37.156,21.861 40.583,25.288 40.583,29.155 40.075,29.663 40.075,31.776 41.955,33.656 46.334,33.656 47.55,32.44 47.975,32.44 U19.1@47.975,33.71
  Bottom Layer w0.2: R13.1@27.4,29.5 28.153,29.5 29.275,28.378 29.275,27.674 29.275,26.575 29.143,26.443 29.143,25.65 28.925,25.432 28.925,24.997 28.25,24.322 v1(28.25,22.859)
CH13_VOUT_SENSE: CH13_V.1 D13.2 F13.2 J1.25 | length 124.1
  Top Layer w0.2: J1.25@56.75,28.75 57.915,28.75 57.917,28.752 60.373,28.752 60.603,28.522 60.603,25.422 v1(60.65,25.375)
  Bottom Layer w0.2: 7.521,11.107 7.85,5.225 7.924,5.151 7.924,4.908 8.95,3.883 8.95,2.272 10.401,0.821 46.121,0.821 47.7,2.4 47.7,13.377 48.561,14.238 48.561,17.524 49.856,18.819 50.308,18.819 50.531,19.042 50.531,21.323 52.176,22.969 53.886,22.969 54.28,22.574 54.841,22.574 54.961,22.694 56.306,22.694 56.361,22.639 58.718,22.639 59.107,22.25 59.414,22.25 60.669,23.505 60.669,25.356 v1(60.65,25.375) ; 7.85,12.123 7.85,13.416 7.747,13.519 7.742,13.519 7.519,13.742 7.519,16.258 7.45,16.327 7.45,22.228 8.272,23.05 8.728,23.05 9.728,22.05 10.893,22.05 14.843,26 CH13_V.1@15.5,26 16.161,26.661 17.961,26.661 D13.2@19.485,28.185 ; D13.2@19.485,28.6 D13.2@19.485,28.185 ; F13.2@22.15,29.25 22.15,27.375 20.908,26.133 20.342,26.133 19.485,26.99 D13.2@19.485,28.185
  Bottom Layer w0.254: 7.521,11.107 cw(c9,11.19) 7.85,12.123
CH14_SHUNT_N: F14.1 R14.2 U21.4 | length 9.3
  Top Layer w0.2: v1(23.975,16.994) 23.975,18.804 23.929,18.85 23.929,19.185 23.943,19.198 23.943,19.443 v1(24,19.5)
  Bottom Layer w0.2: F14.1@20.9,20.7 20.9,20.727 21.273,21.1 R14.2@22.5,21.1 ; R14.2@22.594,21.1 22.675,21.019 22.675,20.726 23.491,19.91 23.59,19.91 v1(24,19.5) ; v1(23.975,16.994) 24.006,16.963 24.897,16.963 25.4,16.46 U21.4@25.4,15.4
CH14_SHUNT_P: R14.1 U19.6 U19.7 U21.3 | length 116
  Top Layer w0.2: v1(9,22) 8.121,22.879 8.121,23.157 7.728,23.55 6.943,23.55 6.45,23.057 6.45,22.729 7.011,22.168 7.011,6.189 v1(10.489,2.711) ; v1(46.85,27.95) 46.897,27.903 47.007,27.903 47.55,27.36 47.975,27.36 U19.7@47.975,26.09 ; v1(50.225,23.8) 50.225,27.336 50.385,27.495 v1(50.385,27.562)
  Bottom Layer w0.2: v1(9,22) 9.078,22 9.428,21.65 11.35,21.65 12.85,23.15 15.228,23.15 16.328,22.05 18.636,22.05 18.847,21.839 22.71,21.839 23.075,21.474 23.075,21.25 23.225,21.1 R14.1@23.25,21.1 ; v1(10.489,2.711) 10.489,2.693 10.869,2.313 10.869,2.02 11.563,1.325 44.456,1.325 47.3,4.169 47.3,19.388 47.95,20.038 47.95,22.3 49.45,23.8 v1(50.225,23.8) ; R14.1@23.275,21.1 24.138,20.237 24.178,20.237 25.4,19.015 U21.3@25.4,18 ; v1(46.85,27.95) 46.873,27.973 47.818,27.973 48.472,27.319 50.075,27.319 50.318,27.562 v1(50.385,27.562)
CH14_VOUT_SENSE: CH14_V.1 D14.2 F14.2 J1.27 | length 100.1
  Top Layer w0.2: v1(15,22.6) 15.057,22.657 15.157,22.657 15.4,22.9 24.503,22.9 27.078,20.325 32.344,20.325 33.276,19.393 34.123,19.393 34.877,18.639 38.158,18.639 39.45,17.347 39.45,4.825 42.35,1.925 51.732,1.925 59.266,9.459 59.266,9.566 62.519,12.819 63.652,12.819 63.877,13.044 63.877,15.156 63.617,15.416 63.617,19.321 59.926,23.013 59.926,27.074 59.252,27.748 57.579,27.748 57.577,27.75 J1.27@56.75,27.75
  Bottom Layer w0.2: CH14_V.1@12.25,17.5 13.6,17.5 14.853,18.753 14.853,19.747 ; v1(15,22.6) 15,20.656 14.853,20.509 14.853,19.747 ; F14.2@18.7,20.7 16.435,20.7 D14.2@15.985,20.25 15.482,19.747 14.853,19.747
CH15_SHUNT_N: F15.1 R15.2 U22.4 | length 12.1
  Bottom Layer w0.2: F15.1@20.85,12 20.85,12.127 21.223,12.5 R15.2@22.375,12.5 22.469,12.594 22.469,12.908 22.692,13.131 23.558,13.131 27.05,9.639 27.05,8.757 26.485,8.192 26.485,8.071 26.124,7.711 25.761,7.711 25.2,7.15 U22.4@25.2,6.9
CH15_SHUNT_P: R15.1 U19.8 U19.9 U22.3 | length 60.9
  Top Layer w0.2: v1(26.45,9) 26.45,8.075 26.6,7.925 26.6,7.502 26.631,7.471 26.631,6.968 v1(26.678,6.921) ; v1(41,4.5) 41.569,4.5 41.872,4.803 42.328,4.803 43.428,3.703 47.586,3.703 47.703,3.82 47.703,22.483 47.82,22.6 52.364,22.6 53.671,23.907 53.671,25.293 53.425,25.539 53.425,26.09 U19.9@53.425,27.36
  Bottom Layer w0.2: R15.1@23.125,12.5 23.125,11.975 24.01,11.09 24.019,11.09 25.027,10.082 25.027,9.673 U22.3@25.2,9.5 25.2,9.25 25.4,9.051 26.4,9.051 v1(26.45,9) ; v1(26.678,6.921) 26.678,5.955 29.683,2.95 39.45,2.95 v1(41,4.5)
CH15_VOUT_SENSE: CH15_V.1 D15.2 F15.2 J1.29 | length 100.1
  Top Layer w0.2: v1(13.9,10.961) 13.9,10.73 13.207,10.037 12.598,10.037 11.869,9.308 11.869,3.656 13.919,1.606 13.919,0.798 14.068,0.649 51.299,0.649 54.378,3.728 v1(54.422,3.728) ; v1(56.7,12.6) 59.422,15.322 59.422,26.601 59.273,26.75 J1.29@56.75,26.75
  Bottom Layer w0.2: CH15_V.1@11.5,8.75 11.594,8.75 13.805,10.962 v1@13.805,11.055 ; v1(13.9,10.961) v1@13.806,11.055 ; F15.2@18.65,12 16.485,12 D15.2@15.985,11.5 14.714,11.5 14.269,11.055 v1@13.805,11.055 ; v1(54.422,3.728) 54.4,3.75 52.787,3.75 48.569,7.968 48.569,8.532 48.968,8.931 49.856,8.931 50.125,9.2 55.226,9.2 55.375,9.349 55.375,11.275 55.719,11.619 56.308,11.619 56.531,11.842 56.531,12.364 56.7,12.533 v1(56.7,12.6)
CH16_SHUNT_N: F16.1 R16.2 U23.4 | length 15
  Bottom Layer w0.2: F16.1@9.85,44.5 9.477,44.873 9.477,45.631 9.344,45.764 9.344,46.156 R16.2@9.25,46.25 9.25,46.347 9.276,46.373 9.276,47.376 9.643,47.743 10.163,47.743 11.7,46.206 11.7,42.403 12.627,41.476 12.627,40.124 12.376,39.873 12.374,39.873 12.225,39.724 12.225,39.716 11.95,39.441 U23.4@11.95,38.2
CH16_SHUNT_P: R16.1 U19.13 U19.14 U23.3 | length 67.4
  Top Layer w0.2: v1@10.103,47.142 10.222,47.261 10.222,47.842 10.923,48.542 v1(10.923,48.582) ; v1(20.35,44.025) 21.639,44.025 22.687,42.977 24.015,42.977 26.223,40.769 26.223,37.069 27.619,35.673 28.061,35.673 29.015,36.627 31.174,36.627 32.627,35.175 35.125,35.175 35.501,34.799 v1(35.526,34.799) ; v1(40.494,34.6) 43.627,34.6 45.195,36.168 48.621,36.168 49.196,35.593 49.196,35.563 49.904,34.855 49.904,33.095 51.599,31.4 52.121,31.4 52.319,31.598 ; 52.319,31.598 52.491,31.77 52.491,31.931 53,32.44 53.425,32.44 U19.14@53.425,33.71
  Bottom Layer w0.2: v1(9.903,47.116) 9.903,47.049 10,46.952 R16.1@10,46.25 R16.1@10.025,46.275 ; R16.1@10.211,46.211 11.05,45.371 11.05,42.103 11.677,41.476 11.677,41.323 11.95,41.05 U23.3@11.95,40.8 ; v1(10.923,48.582) 10.989,48.582 11.269,48.302 11.735,48.302 13.647,46.39 13.647,45.191 13.999,44.839 13.999,44.207 14.558,43.648 16.806,43.648 17.283,44.125 19.269,44.125 19.368,44.025 v1(20.35,44.025) ; v1(35.526,34.799) 35.56,34.799 35.932,35.171 38.323,35.171 38.924,34.569 40.464,34.569 v1(40.494,34.6)
CH16_VOUT_SENSE: CH16_V.1 D16.2 F16.2 J1.31 | length 137.7
  Top Layer w0.2: J1.31@56.75,25.75 56.727,25.727 55.965,25.727 55.773,25.535 55.773,24.978 55.733,24.938 55.733,15.928 55.942,15.719 57.558,15.719 58.1,16.261 v1(58.1,19.2)
  Bottom Layer w0.2: CH16_V.1@1.5,40.75 2.789,42.039 2.789,42.9 3.628,43.738 3.888,43.738 D16.2@5.235,45.085 ; F16.2@7.65,44.5 7.65,44.75 7.277,45.123 7.027,45.123 6.65,45.5 D16.2@5.235,45.5 D16.2@5.235,45.085 ; v1(58.1,19.2) 57.2,19.2 54.931,16.931 49.468,16.931 49.069,16.532 49.069,14.028 48.499,13.458 48.499,9.962 48.1,9.563 48.1,0.688 47.729,0.317 10.339,0.317 7.606,3.051 7.606,4.508 5.5,6.614 5.5,35.5 4.25,36.75 4.25,37.828 4.4,37.978 4.4,41.756 5.235,42.591 D16.2@5.235,45.085
DAC_BUSY: P1.15 U2.38 | length 183.1
  Top Layer w0.2: v1(7.086,22.914) 7.48,22.432 7.48,22.317 7.45,22.228 7.45,21.772 7.578,7.084 13.411,1.251 13.411,0.439 13.709,0.141 51.721,0.141 58.51,6.93 58.51,7.985 62.836,12.311 63.868,12.311 64.121,12.564 64.121,12.575 64.381,12.835 64.381,15.365 64.121,15.625 64.121,44.176 63.972,44.325 61.999,44.325 61.827,44.497 61.827,45.202 63.121,46.496 63.208,46.496 64.301,47.589 64.375,47.664 64.375,47.874 64.227,48.023 63.972,48.023 63.823,48.172 63.652,48.39 63.652,48.835 63.285,49.202 62.765,49.202 62.417,49.049 62.05,49.049 61.704,49.029 ; U2.38@17.95,30.5 17.95,29.03 18.2,28.78 v1(18.2,28.713) ; P1.15@26.12,51.46 26.372,51.712 27.263,51.712 28.269,52.718 29.027,52.718 29.872,53.563 29.872,54.321 31.051,55.5 57.7,55.5 58.023,55.177 58.023,50.738 58.097,50.664 58.112,50.648 59.333,49.781
  Top Layer w0.254: 59.333,49.781 59.637,49.564 ccw(c61.5,52.5) 61.704,49.029
  Bottom Layer w0.2: v1(7.086,22.914) 7.086,22.996 7.328,23.238 7.328,23.309 7.469,23.45 8.894,23.45 9.893,22.45 10.728,22.45 15.447,27.169 16.769,27.169 17.461,27.861 17.461,27.974 v1(18.2,28.713)
DAC_CLR: P1.16 U2.1 | length 54.4
  Top Layer w0.2: v1(2.912,45.4) 2.912,45.412 6.981,49.481 6.981,54.29 7.857,55.166 24.063,55.166 24.977,54.252 25.868,54.252 P1.16@26.12,54 ; U2.1@18.6,41.7 18.638,41.738 18.638,43.138 v1(18.675,43.175)
  Bottom Layer w0.2: v1(2.912,45.4) 2.912,45.412 4.854,47.354 8.542,47.354 9.435,48.247 10.372,48.247 13.069,45.549 13.069,45.056 13.495,44.63 13.495,43.851 14.573,42.773 14.573,42.47 14.97,42.073 15.602,42.073 15.744,41.931 18.586,41.931 18.727,42.072 19.059,42.072 19.176,42.189 19.176,42.674 v1(18.675,43.175)
DAC_DIN/SDA: P1.19 U2.50 | length 47.9
  Top Layer w0.2: v1(11.573,48.879) 11.62,48.926 11.886,48.926 13.185,50.225 29.792,50.225 31.027,51.46 P1.19@31.2,51.46 ; U2.50@20.3,38.7 20.338,38.738 20.976,38.738 20.983,38.744 21.051,38.744 21.406,39.099 21.406,39.845 21.555,39.994 22.658,39.994 23.456,40.792 23.456,41.594 v1(23.425,41.625) ; v1(20.624,45.943) 20.624,45.184 20.983,44.825 21.97,44.825 22.595,44.2 v1(23.675,44.2)
  Bottom Layer w0.2: v1(11.573,48.879) 11.62,48.832 11.923,48.832 14.155,46.6 14.155,45.396 14.503,45.048 14.503,44.269 14.724,44.048 16.64,44.048 18.331,45.739 18.331,46.32 18.469,46.458 18.469,46.683 18.692,46.906 20.278,46.906 20.61,46.574 20.61,45.958 v1(20.624,45.943) ; v1(23.425,41.625) 23.022,42.028 23.022,43.547 v1(23.675,44.2)
DAC_LDAC: P1.22 U2.39 | length 63.2
  Top Layer w0.2: v1(4.95,41.25) 4.95,42.357 8.5,45.907 9.581,45.907 13.395,49.721 30.007,49.721 30.273,49.987 31.376,49.987 32.416,51.027 32.416,52.676 P1.22@33.74,54 ; v1(16.725,38.147) 16.693,38.115 16.693,37.516 16.566,37.389 16.566,32.659 17.459,31.766 17.899,31.766 18.14,31.525 18.167,31.525 18.475,31.217 18.475,31.193 18.6,31.068 U2.39@18.6,30.5
  Bottom Layer w0.2: v1(4.95,41.25) 5.031,41.25 5.257,41.024 5.445,41.024 5.586,40.883 5.586,39.458 5.49,39.362 5.49,37.937 5.05,37.497 5.05,37.081 6.032,36.1 7.123,36.1 7.272,35.95 7.335,35.95 7.692,35.592 8.247,35.592 8.463,35.809 9.018,35.809 10.059,36.85 11.663,36.85 11.682,36.869 12.544,36.869 13.779,38.104 13.99,38.104 14.513,38.627 16.41,38.627 16.602,38.435 16.602,38.336 16.725,38.213 v1(16.725,38.147)
DAC_RESET: P1.18 U2.37 | length 74.7
  Top Layer w0.2: v1(6.05,24) 6.05,26.492 5.325,27.217 5.325,36.175 2.887,38.613 2.887,42.279 8.884,48.276 8.884,49.695 9.506,50.317 9.506,51.735 10.513,52.742 27.402,52.742 P1.18@28.66,54 ; v1(15.675,35.7) 15.675,34.402 15.506,34.233 15.506,33.001 17.262,31.245 17.262,30.538 U2.37@17.3,30.5
  Bottom Layer w0.2: v1(6.05,24) 6,24.05 6,25.786 8.422,28.208 8.441,28.208 9.107,28.874 9.107,29.329 10.878,31.1 10.878,31.608 12.961,33.69 12.961,34.768 13.11,34.917 14.892,34.917 v1(15.675,35.7)
DAC_SCLK/SCL: P1.23 U2.49 | length 29.6
  Top Layer w0.2: v1(17.095,39.413) 17.095,39.347 17.223,39.219 17.223,39.211 17.945,38.489 17.945,38.229 18.309,37.865 18.917,37.865 19.102,38.05 U2.49@20.3,38.05
  Bottom Layer w0.2: v1(17.095,39.413) 17.095,39.48 17.223,39.608 17.223,39.689 17.726,40.192 19.039,40.192 20.447,41.6 20.962,41.6 22.275,42.913 22.275,43.985 23.159,44.869 24.766,44.869 25.166,45.269 25.276,45.269 25.425,45.418 25.425,46.625 26,47.2 30.3,47.2 32.525,49.425 33.271,49.425 33.354,49.425 33.967,49.857 34.013,49.89 34.726,49.934 34.779,49.987 P1.23@36.28,51.46
DAC_SDO: P1.21 U2.48 | length 79.9
  Top Layer w0.2: v1(18.09,33.29) 17.909,33.471 17.909,36.511 18.798,37.4 U2.48@20.3,37.4 ; v1(27.285,36.785) 27.366,36.785 27.712,37.131 31.574,37.131 33.389,38.945 33.389,38.989 34.546,40.146 34.792,40.146 v1(35.996,41.35) ; 61.336,48.522 61.095,48.522 60.635,48.552 60.195,48.552 57.911,49.326 56.09,49.602 55.33,50.363 55.33,51.839 54.543,52.626 34.906,52.626 P1.21@33.74,51.46 32.95,50.67 32.95,49.942 33.067,49.825 38.9,49.825 39.928,48.797 v2@39.928,46.854 ; 61.686,48.523 61.721,48.525 62.087,48.539 62.821,48.545 v1(63.025,48.575) ; v2(39.927,46.853) v2@39.928,46.854
  Top Layer w0.254: 61.336,48.522 ccw(c61.5,52.5) 61.686,48.523
  Bottom Layer w0.2: v1(18.09,33.29) 21.997,33.29 25.796,37.089 26.768,37.089 26.923,36.935 27.053,36.935 27.203,36.785 v1(27.285,36.785) ; v1(35.996,41.35) 37.15,41.35 39.8,44 39.8,46.073 v2(39.927,46.853) ; v1(63.025,48.575) 63.062,48.612 64.241,48.612 v1(64.279,48.65)
DAC_SYNC/AD0: P1.24 U2.51 | length 73.4
  Top Layer w0.2: v1(3.575,40.325) 3.575,38.774 4.378,37.971 5.161,37.971 5.233,37.9 6.417,37.9 7.806,39.289 7.806,40.063 8.349,40.606 10.537,40.606 10.549,40.594 11.148,40.594 11.551,40.192 14.638,40.192 14.992,39.838 15.297,39.838 15.395,39.74 16.605,39.74 17.057,40.192 18.61,40.192 18.948,39.854 18.948,39.599 19.169,39.379 20.271,39.379 U2.51@20.3,39.35
  Bottom Layer w0.2: v1(3.575,40.325) 3.575,38.144 3.458,38.026 2.882,38.026 2.756,37.9 1.887,37.9 0.819,38.968 0.819,41.281 0.8,41.3 2.281,42.781 2.281,45.661 5.232,48.612 8.374,48.612 9.782,50.02 11.089,50.02 12.046,50.977 12.046,51.735 13.093,52.782 16.391,52.782 17.23,53.621 17.23,54.379 18.017,55.166 34.223,55.166 35.137,54.252 36.028,54.252 P1.24@36.28,54